# KiCad board VCF_VCA_BBD_board.kicad_pcb (continued)
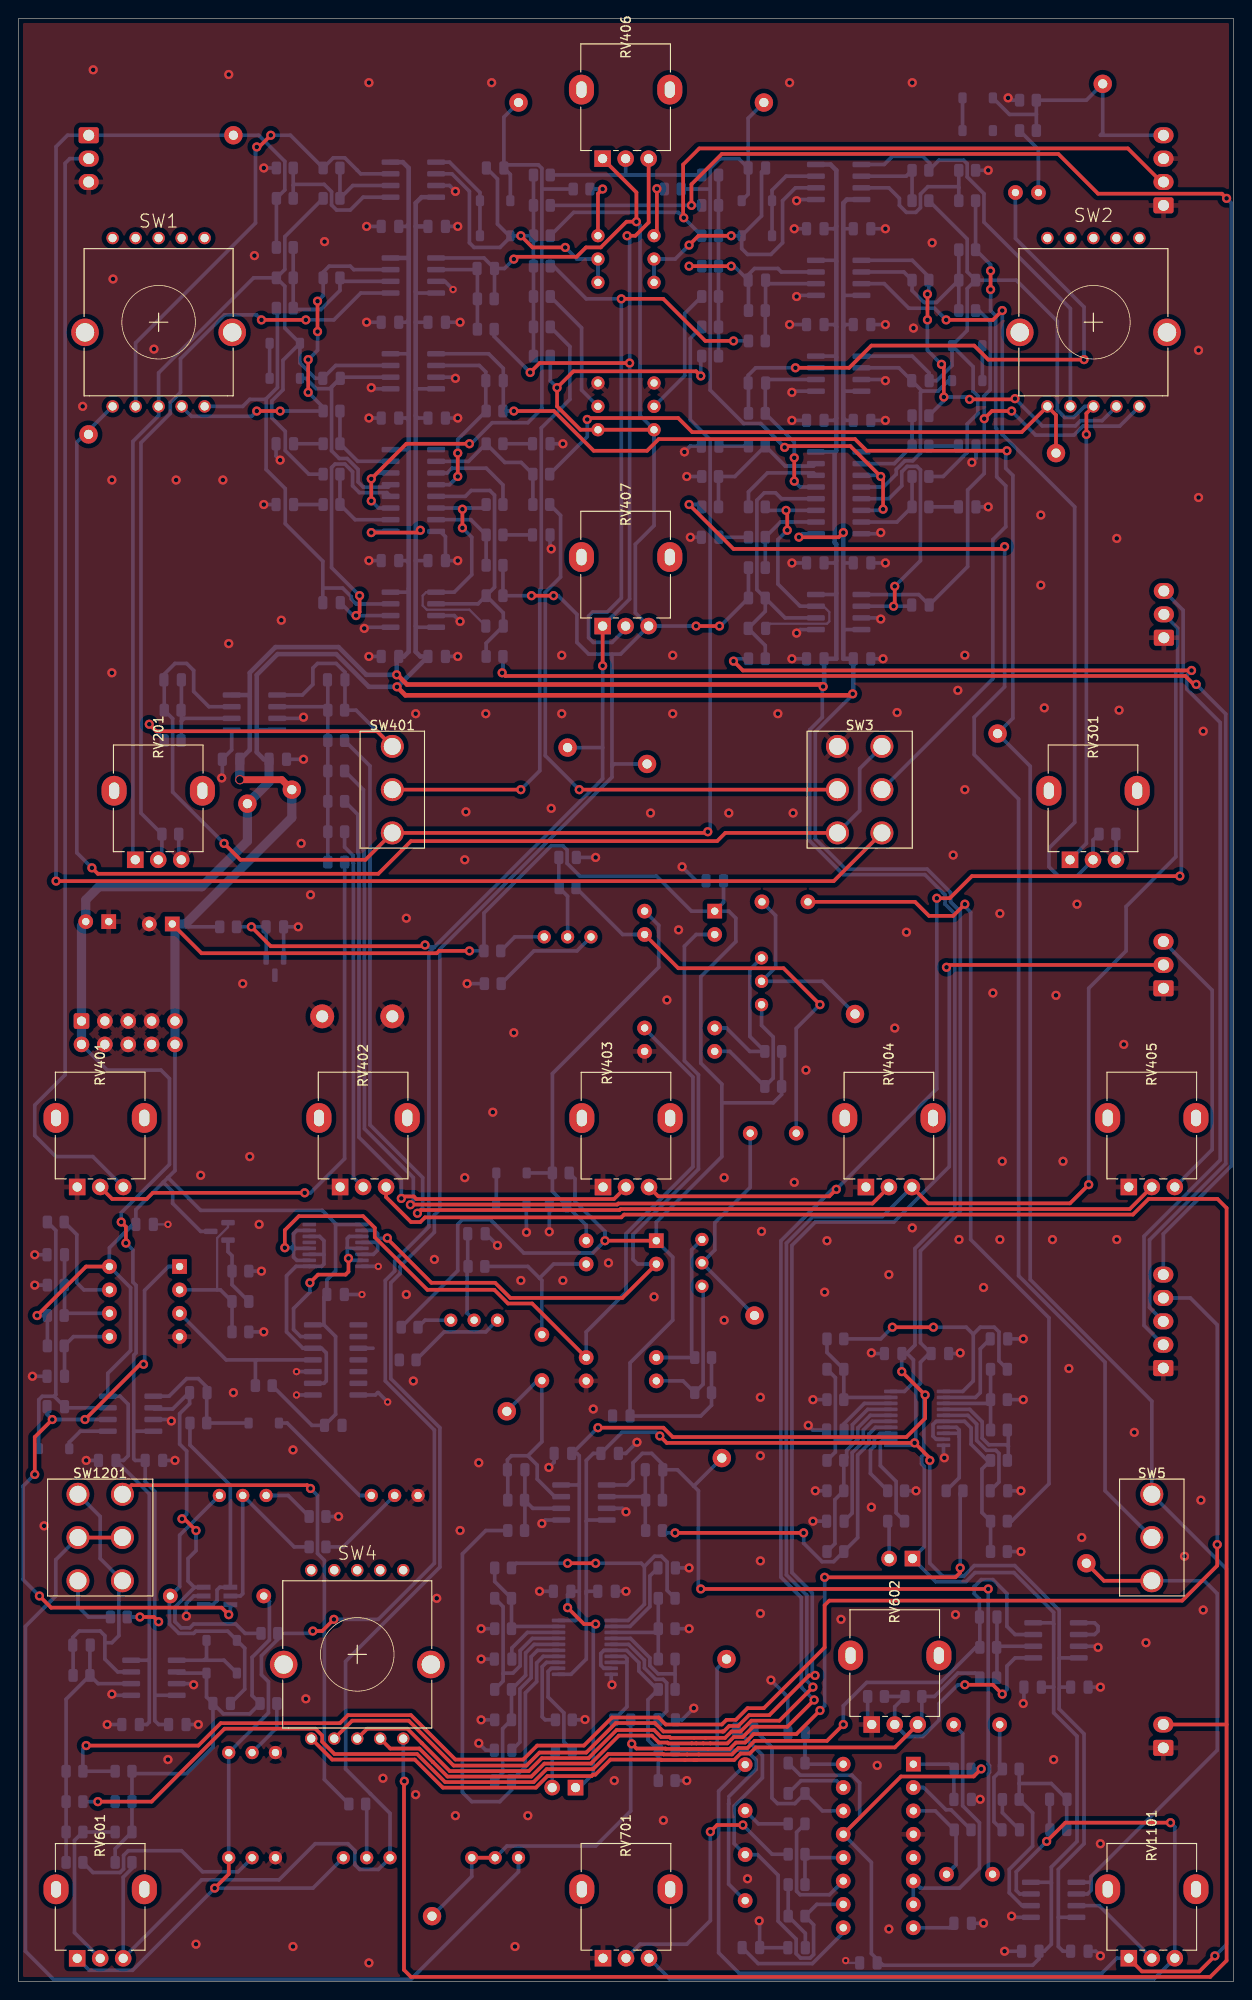
[diagram p0: board, top side]
## Routing (per net, layer and track width the routed paths; a pad name or vN(x,y) marks a point on that pad's centre or on a via; arc(x,y) is an arc through that point) (continued)
GND: length 238.4
  Bottom w0.25: v2(89.92,2.29) 90.17,2.03 C1443.2 ; C1207.2 v2(16.26,82.3)
  Bottom w0.4: v1(57.91,155.7) 57.78,155.83 C502.2 ; v1(72.39,166.24) 73.03,166.88 C1303.2 ; v1(28.45,165.35) 28.01,165.8 C201.2 ; v1(84.58,183.13) 84.71,183.26 U7.5 ; U6.3 46.86,195.2 v1(47.5,194.56) ; C1417.2 v1(84.07,169.67) ; C1426.1 v1(19.56,27.94) ; R1307.1 v1(72.64,163.58) ; v1(18.26,39.72) 18.26,41.11 19.05,41.91 Q1202.5 ; v1(94.23,173.99) 94.11,174.12 U8.3 ; C1429.2 v1(84.33,190.5) ; C1421.2 58.23,56.45 v1(57.66,55.88) ; U19.5 6.73,59.82 5.53,58.61 D1202.2 ; C804.2 50.8,25.15 v1(50.04,25.91) ; U3.8 45.85,157.61 46.42,157.04 C1432.1 v1(47.75,154.43) ; C303.2 v1(105.41,160.27) ; R101.2 107.82,204.47 v1(107.57,204.72) ; v1(104.54,19.81) 104.52,19.8 C1102.2 ; C704.2 80.58,3.68 C702.2 80.56,6.56 v1(80.52,6.6) ; v1(30.41,114.63) C1403.2 U1407.2 ; C1430.1 v1(94.23,190.5) ; v1(92.71,68.33) 92.78,68.25 C1437.2 ; C1302.2 v1(73.04,156.97) ; C1103.2 104.89,6.34 v1(104.9,6.35) ; v1(38.35,173.23) 38.48,173.1 40.45,173.1 ; v1(107.95,7.11) 108.08,6.98 U17.5 ; U18.3 18.92,32.38 v1(19.05,32.26) ; 23.18,136.02 23.18,133.86 C1405.2 22.16,130.88 v1(22.1,130.81) ; U8.5 84.2,172.85 v1(84.07,172.72) ; U23.5 84.71,193.67 v1(84.58,193.55) ; C1412.1 v1(47.75,144.02) ; U18.5 10.29,31.11 v1(10.16,31.24) ; C503.2 v1(59.18,167.13) ; C1004.2 v1(86.36,50.04) ; C703.2 83.63,30.92 v1(81.79,32.77) ; v1(117.35,36.32) 117.22,36.45 115.25,36.45 ; v1(61.58,28.48) 61.55,28.45 R815.2 ; C1206.2 v1(1.52,65.79) ; 100.55,58.29 100.55,57.02 v1(100.64,56.92) ; v1(48.01,147.83) 47.37,148.46 45.4,148.46 ; v2(47.24,183.9) 46.36,184.78 U2.3 ; C1408.1 v1(48.01,180.34) ; C1418.2 v1(94.23,169.67) ; U12.10 64.43,32.34 v1(64.52,32.26) ; U19.3 16.47,61.09 v1(16.63,60.93) ; C1428.1 v1(17.02,56.64) ; v1(103.63,165.1) 104.07,165.54 C301.2 ; U5.5 37.72,147.19 v1(37.59,147.07) ; U21.10 v2(30.23,66.29) ; 58.99,50.16 57.28,50.16 v1(56.9,49.78) ; C1407.2 v1(37.85,180.34) ; RV602.1 92.31,28.38 R602.1 ; v1(102.36,68.33) 102.29,68.25 C1438.1 ; C1441.2 109.29,30.29 v1(109.22,30.23) ; R812.2 v1(50.29,28.45) ; v1(86.61,53.34) R1012.2 87.85,53.3 ; U22.8 39.11,77.73 v2(39.12,77.72) ; v1(85.85,60.45) 86.36,59.94 C1003.2 ; C904.2 v1(62.74,122.17) ; RV201.3 17.42,122.2 R205.2 ; R1015.2 v1(97.56,53.34) ; C1415.2 v1(83.82,180.09) ; v2(40.13,62.99) 39.12,64.01 39.05,64.01 38.8,63.75 U21.7 ; C1423.2 v1(107.19,3.3) ; R310.2 v1(105.41,196.85) ; v1(117.6,2.79) 117.09,3.3 C1424.1 ; C801.2 72.14,28.45 v1(73.41,29.72) ; D902.1 v1(55.22,81.43) ; C1435.2 v1(56.64,42.42) ; v1(1.78,78.99) C1204.2 3.15,78.96 ; C1410.1 v1(47.75,169.93) ; v1(30.99,137.41) 30.86,137.29 U1.3 ; R809.2 v1(50.29,38.35) ; R1002.2 v1(108.97,46.74) ; R305.2 119.3,124.69 RV301.3 ; v1(93.73,157.48) 93.6,157.35 U10.8 ; C803.2 v1(50.29,35.05) ; C1413.2 v1(37.85,190.75) ; C1416.1 v1(94.23,180.09) ; v1(84.58,146.56) 84.96,146.94 U9.5 ; C203.2 v1(26.67,160.53) ; C1419.2 v1(84.07,143.76) ; C1001.2 v1(108.97,53.34) ; v1(66.04,51.05) 65.66,51.44 U13.3 ; C1420.1 v1(93.98,143.76) ; C1406.1 v1(30.99,132.84) ; C1442.1 v1(117.6,32) ; v1(93.73,148.08) 93.6,148.21 U9.3 ; C1411.2 v1(38.1,144.02) ; C1422.1 66.02,57.4 v1(67.23,58.62) ; R1009.2 v1(86.36,63.25) ; C1436.1 v1(66.04,42.42) ; v1(52.07,80.01) 50.8,81.28 C902.2 ; C908.2 73.66,119.63 v1(72.14,121.16) ; R1005.2 v1(109.22,63.25) ; C1427.2 v1(7.37,56.64) ; R1213.1 v1(26.42,77.22) ; R1221.1 v1(1.78,75.69) ; C1433.2 v1(84.07,154.18) ; C1002.2 v1(109.22,69.85) ; R907.2 v1(48.77,108.46) ; C1439.2 v2(37.34,74.68) ; R210.2 v1(26.67,197.1) ; U4.3 47.37,174.37 v1(47.5,174.24) ; R802.2 v1(72.64,21.84) ; C1425.2 v1(9.65,27.94) ; U21.3 38.54,68.83 ; C1431.2 v1(38.1,154.43) ; C1409.2 v1(38.1,169.93) ; R1211.1 v1(34.8,50.55) ; C802.2 v1(72.9,44.96) ; C1414.1 v1(47.75,190.75) ; U21.8 v2(30.23,63.75) ; R805.2 v1(72.9,38.35) ; C1434.1 v1(94.23,154.18) ; R1215.1 v1(26.67,70.61) ; C905.2 v1(57.7,81.49)
  vias: v1(2.79,49.53) v1(6.98,171.2) v1(8.13,207.77) v1(10.16,163.19) v1(10.16,142.24) v1(10.29,185.04) v1(14.73,177.42) v1(16.26,24.13) v1(17.14,163.19) v1(19.3,4.06) v1(19.81,87.63) v1(22.23,163.19) v1(22.86,207.26) v1(22.86,145.41) v1(23.37,64.01) v1(24.38,108.46) v1(25.15,89.66) v1(25.65,187.58) v1(26.16,82.3) v1(28.58,147.95) v1(29.84,57.78) v1(29.84,3.81) v1(30.73,123.7) v1(31.24,30.73) v1(31.75,118.11) v1(33.27,189.1) v1(38.1,206.38) v1(38.1,2.03) v1(39.62,22.1) v1(42.16,115.57) v1(42.16,74.68) v1(42.93,65.28) v1(43.18,137.79) v1(43.18,20.32) v1(45.21,78.49) v1(45.47,41.66) v1(47.5,18.03) v1(48.01,49.02) v1(48.51,121.92) v1(48.51,87.38) v1(48.64,127.13) v1(50.04,56.39) v1(50.8,137.79) v1(51.44,206.38) v1(51.56,94.49) v1(53.85,103.12) v1(53.97,3.81) v1(54.61,76.2) v1(55.37,18.03) v1(57.91,127.51) v1(59.05,144.14) v1(59.05,137.79) v1(59.18,76.2) v1(62.48,62.23) v1(64.14,78.1) v1(64.77,21.84) v1(68.71,127) v1(69.09,74.42) v1(70.1,17.53) v1(70.48,106.68) v1(71.12,144.14) v1(71.12,137.79) v1(71.75,114.3) v1(76.71,87.38) v1(76.71,71.88) v1(77.22,127) v1(79.25,11.18) v1(80.64,63.5) v1(80.64,57.15) v1(80.64,45.72) v1(80.64,40) v1(80.77,81.53) v1(82.55,137.79) v1(83.82,206.38) v1(84.2,127) v1(84.33,86.87) v1(85.6,99.06) v1(87.63,74.93) v1(87.88,80.52) v1(89.41,39.37) v1(92.71,51.56) v1(93.35,23.5) v1(94.61,76.83) v1(94.61,5.72) v1(95.25,103.63) v1(95.5,137.92) v1(96.52,114.05) v1(97.15,206.38) v1(97.15,81.91) v1(97.28,179.7) v1(99.31,188.98) v1(101.6,122.43) v1(101.85,39.88) v1(102.11,140.33) v1(102.23,80.64) v1(102.87,144.16) v1(102.87,129.54) v1(104.9,75.44) v1(105.92,107.44) v1(106.68,116.08) v1(106.68,80.64) v1(106.93,89.15) v1(111.12,159.38) v1(111.12,151.76) v1(111.51,138.43) v1(112.39,80.64) v1(112.52,24.13) v1(112.78,107.19) v1(113.54,89.15) v1(114.18,66.63) v1(115.06,117.09) v1(115.57,48.26) v1(117.6,14.99) v1(119.38,156.84) v1(119.38,80.64) v1(119.63,138.18) v1(120.14,101.85) v1(121.29,59.69) v1(122.55,36.83) v1(126.75,46.23) v1(128.27,177.29) v1(128.27,161.29) v1(128.52,52.32) v1(128.78,135.89) v1(128.78,40.39)
/analog_delay/BBD_ctl_generators/FREQ_CV: length 18.8
  Bottom w0.4: R1203.1 R1207.1 6.1,15.34 6.1,5.32 RV601.2
/analog_delay/BBD_ctl_generators/MOD_CV: length 130.9
  Top w0.4: v1(8.64,19.56) 14.48,19.56 22.41,27.48 32.28,27.48 33.02,26.74 33.02,26.07 34.36,24.73 43.34,24.73 46.38,21.68 56,21.68 57.41,23.09 62.47,23.09 64.1,24.73 70.09,24.73 70.13,24.69 72.69,24.69 73.94,24.69 77.56,24.69 78.25,25.38 79.23,25.38 80.01,26.16 87.88,26.16 v1(89.66,27.94)
  Bottom w0.4: R1206.1 R1202.1 ; U24.7 108.33,37.72 107.44,38.61 107.44,42.16 105.92,43.69 104.65,43.69 103.89,42.93 103.89,42.16 104.46,41.59 C601.2 104.5,39.59 R604.2 104.05,36.32 100.24,32.51 92.2,32.51 89.66,29.98 v1(89.66,27.94)
/analog_delay/BBD_LPF_post/SIGNAL_IN: length 91.5
  Top w0.4: v1(102.87,117.09) 101.6,115.82 98.98,115.82 97.45,117.35 86.19,117.35 85.81,116.97
  Bottom w0.4: R1001.1 107.95,50.04 112.01,54.1 112.01,72.14 103.51,80.64 103.51,116.2 102.74,116.97 v1(102.87,117.09)
/analog_delay/BBD_LPF_post/SIGNAL_OUT: length 95.4
  Top w0.4: v1(74.17,42.67) v1(105.41,42.67)
  Bottom w0.4: v1(74.17,42.67) 73.91,42.93 73.91,53.34 73.41,53.85 ; v1(105.41,42.67) 105.41,23.62 105.55,23.49 105.55,22.74 105.44,22.63 105.44,12.11 C1101.2 ; R1016.2 70,55.59 C1005.2 ; C1005.2 70.04,56.2 68.83,57.4 67.82,57.4 66.8,56.39 66.8,54.61 66.17,53.97 U13.1 ; C1005.2 71.63,55.63 73.41,53.85 ; 73.41,53.85 TP603.1
/analog_delay/BBD_LPF_pre/SIGNAL_IN: length 36.7
  Bottom w0.4: 77.22,20.11 80.19,23.08 80.19,24.08 79.13,25.15 75.69,25.15 ; TP601.1 75.95,34.04 75.95,25.4 75.69,25.15 ; R801.1 75.69,25.15 ; C706.1 77.19,10.6 77.19,19.33 77.22,19.35 77.22,19.81
/analog_delay/BBD_LPF_pre/SIGNAL_OUT: length 27.2
  Bottom w0.4: 55.37,57.15 56.9,58.67 C901.2 56.43,65.32 TP602.1 ; 55.37,57.15 53.59,57.15 53.15,56.71 C805.2 53.19,55.59 R816.2 ; 55.37,57.15 56.39,56.13 56.39,54.61 58.29,52.7 58.99,52.7
/analog_delay/BBD_stages/VGG: length 45.6
  Bottom w0.4: D901.2 R911.2 ; R911.2 58.04,85.89 C905.1 61.71,82.22 U14.8 ; R911.2 58.04,98.68 69.6,110.24 69.6,114.8 U15.8
/analog_delay/CLK_1: length 86.1
  Top w0.4: v1(40.1,80.81) 40.1,80.74 44.89,75.95 51.82,75.95 53.47,74.29 65.64,74.29 U14.2
  Bottom w0.4: U14.2 67.3,77.98 66.8,78.49 66.8,81.19 73.91,88.31 73.91,98.55 72.39,100.08 72.39,112.52 73.67,113.8 U15.2 ; U22.4 38.87,80.33 39.05,80.52 ; 39.05,80.52 39.05,80.77 ; 39.05,80.52 39.05,79.5 38.58,79.03 U22.6 ; 39.05,80.77 39.05,81.28 38.69,81.63 U22.2 ; 39.05,80.77 40.06,80.77 v1(40.1,80.81)
/analog_delay/CLK_2: length 94.1
  Top w0.4: v1(28.96,79.76) 28.96,81.66 30.48,83.19 37.47,83.19 38.73,81.91 38.73,80.9 44.45,75.18 51.73,75.18 53.22,73.7 55.84,73.7 U14.6
  Bottom w0.4: 29.91,79.5 30.09,79.69 U22.12 ; 29.91,79.5 29.91,78.74 30.26,78.38 U22.10 ; 29.91,79.5 29.91,79.94 ; U14.6 61.71,70.6 66.04,74.93 66.04,81.28 73.31,88.55 73.31,98.3 68.06,103.56 U15.6 ; v1(28.96,79.76) 29.72,79.76 29.91,79.94 ; U22.15 30.26,81.63 29.91,81.28 29.91,79.94
/analog_delay/compressor_and_fdbk_mixer/FEEDBACK_IN: length 101.4
  Top w0.4: v1(111.76,15.24) 113.79,17.27 v1(125.22,17.27)
  Bottom w0.4: RV701.3 70.77,0.31 123.46,0.31 RV1101.3 125.69,16.8 v1(125.22,17.27) ; U17.7 108.84,9.52 108.46,9.91 108.46,11.94 112.12,15.6 R1105.1 112.08,16.55 C1106.1
/analog_delay/LPF_CV: length 98.6
  Top w0.4: RV1204.2 RV1204.3 ; v1(102.36,44.96) 102.36,44.45 101.85,43.94 v1(87.63,43.94) ; v1(66.66,25.84) 67.18,25.33 70.34,25.33 70.38,25.29 72.93,25.29 74.95,25.29 77.31,25.29 78,25.98 78.98,25.98 79.91,26.9 84.56,26.9 v1(87.12,29.46)
  Bottom w0.4: RV1204.2 53.09,14.73 62.74,14.73 66.55,18.54 66.55,25.73 v1(66.66,25.84) 66.55,25.96 R807.1 ; TP1201.1 49.28,11.43 RV1204.3 ; v1(87.63,43.94) 87.63,29.97 v1(87.12,29.46) ; R1007.1 102.36,53.04 v1(102.36,44.96)
/analog_delay/MOD_IN: length 81.8
  Top w0.4: SW4.10 34.11,24.13 43.09,24.13 46.13,21.08 56.25,21.08 57.5,22.33 62.3,22.33 62.46,22.49 62.72,22.49 64.35,24.13 69.84,24.13 69.88,24.09 72.44,24.09 73.69,24.09 77.8,24.09 78.5,24.78 79.48,24.78 80.15,25.45 95.26,25.45 RV602.3
  Bottom w0.4: RV602.3 98.19,28.38 R601.2 99.57,30.99 102.11,33.53 103.99,33.53 R603.1
/analog_delay/SIGNAL_IN: length 324.2
  Top w0.4: v1(53.85,170.69) 58.21,170.69 62.53,166.37 68.33,166.37 69.6,167.64 90.93,167.64 92.2,166.37 v1(107.44,166.37) ; RV1101.1 122.12,1.11 128.36,1.11 v1(130.05,2.79)
  Bottom w0.4: v1(53.85,170.69) R509.2 52.7,170.73 52.7,175.33 51.12,176.91 U4.1 ; RV1101.1 119.39,2.54 117.76,0.91 78.34,0.91 76.11,3.14 76.11,20.7 C701.2 ; v1(130.05,2.79) 131.32,4.06 131.32,44.83 SW5.1 123.19,63.08 109.98,76.29 109.98,132.09 TP103.1 108.09,137.3 108.09,163.69 107.32,164.46 107.32,166.24 v1(107.44,166.37)
/analog_delay/SIGNAL_OUT: length 56.9
  Top w0.4: SW5.3 117.98,43.56 TP105.1
  Bottom w0.4: U17.1 116.46,10.79 116.59,10.67 ; U17.2 116.2,9.52 116.59,9.91 116.59,10.67 ; 116.59,10.67 116.59,11.43 130.3,25.15 130.3,42.16 128.91,43.56 SW5.3
/DELAY_RIBBON: length 177.8
  Top w0.4: v1(130.3,47.5) 130.3,45.21 126.49,41.4 88.14,41.4 87.63,40.89 87.63,36.32 81.03,29.72 79.25,29.72 77.98,28.45 76.96,28.45 76.45,27.94 70.36,27.94 69.6,28.7 64.52,28.7 61.47,25.65 56.39,25.65 54.86,24.13 47.5,24.13 42.67,28.96 35.81,28.96 34.94,28.08 21.99,28.08 19.56,25.65 v1(7.37,25.65)
  Bottom w0.4: J6.4 127.38,74.29 130.3,71.37 v1(130.3,47.5) ; v1(7.37,25.65) 7.01,25.3 R1205.1 10.26,22.86
/envelope_VCA/SIG_IN_1: length 61.8
  Top w0.4: 89.02,129.54 v1(60.96,129.54)
  Bottom w0.4: v1(60.96,129.54) 57.27,133.23 57.27,150.99 58.93,152.66 58.93,159.34 R506.1
/EXT_VCF_CV: length 78.8
  Top w0.4: v1(72.31,191.69) 72.25,191.76 72.25,197.47 74.01,199.23 120.59,199.23 124.23,195.58 J2.2
  Bottom w0.4: R421.1 60.35,192.28 71.73,192.28 v1(72.31,191.69) R414.1
/final_volume_VCA/SIG_IN_1: length 154.9
  Top w0.4: v1(72.9,160.53) 77.72,155.7 106.93,155.7 v1(107.19,155.96)
  Bottom w0.4: R1306.1 74.02,160.53 v1(72.9,160.53) ; SW5.2 118.11,53.34 118.11,67.31 108.71,76.71 108.71,128.52 103.89,133.35 103.89,137.41 107.19,140.72 v1(107.19,155.96)
/final_volume_VCA/SIGNAL_OUT: length 66.1
  Top w0.4: v1(115.82,176.28) 105.41,176.28 103.89,177.8 92.71,177.8 90.3,175.39 v1(84.45,175.39)
  Bottom w0.4: C101.1 108.37,189.44 115.82,181.99 v1(115.82,176.28) ; U8.7 v1(84.45,175.39) 80.14,175.39 79.31,174.56 C1304.2 79.35,173.7 R1309.2
/FREQ_CV_A: length 74.4
  Top w0.4: v1(49.02,167.13) 42.16,167.13 v1(38.35,163.32) v1(38.35,160.92)
  Bottom w0.4: U3.14 38.99,163.96 v1(38.35,163.32) ; C405.2 52.77,202.63 TP102.1 ; C405.2 53.47,196.4 D404.1 ; C405.2 53.1,197.44 56.52,197.44 56.9,197.06 56.9,194.82 ; U3.11 39.13,160.15 v1(38.35,160.92) ; R426.2 56.9,194.82 ; 56.9,194.82 56.9,170.94 55.37,169.42 51.49,169.42 49.21,167.13 v1(49.02,167.13)
/FREQ_CV_B: length 74.7
  Top w0.4: v1(83.28,166.74) 83.42,166.88 90.42,166.88 v1(93.73,163.58) 93.98,163.32 v1(93.98,160.02)
  Bottom w0.4: U10.3 93.6,163.7 v1(93.73,163.58) ; 75.18,194.82 75.18,197.06 76.24,198.12 78.3,198.12 C404.2 ; 75.18,194.82 R412.2 ; 75.18,194.82 75.18,172.97 78.82,169.33 80.69,169.33 v1(83.28,166.74) ; C404.2 79.31,194.25 D402.1 ; C404.2 79.31,202.5 TP106.1 ; U10.6 93.85,159.89 v1(93.98,160.02)
/MOD_ENV: length 173.8
  Top w0.4: v1(86.59,33.27) 85.94,33.27 81.62,28.96 79.42,28.96 78.24,27.78 77.26,27.78 76.65,27.18 76.54,27.18 70.1,27.18 69.18,28.1 64.93,28.1 61.72,24.89 56.64,24.89 55.23,23.48 47.3,23.48 42.42,28.36 36.28,28.36 SW4.9 ; v1(100.87,110.24) 101.13,110.49 J5.2
  Bottom w0.4: v1(86.59,33.27) 86.29,33.57 86.29,42.23 84.07,44.45 84.07,80.01 86.61,82.55 95.15,82.55 101.17,88.57 101.17,109.94 v1(100.87,110.24)
/MOD_OSC: length 299.4
  Top w0.4: J3.2 131.32,27.94 ; 131.32,27.94 131.32,84.07 130.33,85.06 122.84,85.06 121.14,83.36 65.84,83.36 65.53,83.06 44.2,83.06 43.69,82.55 42.67,82.55 39.97,85.26 RV402.3 ; 131.32,27.94 131.32,2.29 129.54,0.51 42.67,0.51 41.91,1.27 41.91,21.74 v1(41.95,21.78)
  Bottom w0.4: SW4.6 41.83,21.89 v1(41.95,21.78)
/S_AND_H: length 229.4
  Top w0.4: v1(126.24,120.14) 103.63,120.14 101.23,117.74 v1(99.82,117.74) ; SW4.7 40.41,25.33 43.58,25.33 45.04,23.88 45.04,23.88 46.64,22.28 55.75,22.28 57.16,23.69 62.22,23.69 65.27,26.74 68.85,26.74 69.61,25.98 70.54,25.98 70.63,25.89 73.68,25.89 75.2,25.89 77.06,25.89 77.75,26.58 78.74,26.58 79.85,27.7 83.58,27.7 v1(86.49,30.61) ; RV403.3 69.55,85.34 88.14,85.34 v1(88.9,86.11)
  Bottom w0.4: v1(99.82,117.74) 99.82,97.03 v1(88.9,86.11) 88.47,86.11 82.87,80.51 82.87,43.95 85.09,41.74 85.09,32 86.36,30.73 86.36,30.73 v1(86.49,30.61) ; v1(126.24,120.14) 126.4,120.3 126.4,142.23 126.59,142.43 126.59,149.04 J4.3
/S_AND_H_MIXER: length 209.4
  Top w0.4: v1(86.36,32) 82.71,28.36 79.66,28.36 78.49,27.18 77.5,27.18 76.81,26.49 74.69,26.49 70.88,26.49 70.79,26.58 69.86,26.58 69.09,27.34 65.02,27.34 61.97,24.29 56.89,24.29 55.48,22.88 46.88,22.88 43.84,25.93 43.83,25.93 42.28,27.48 37.91,27.48 SW4.8 ; v1(116.33,86.61) 114.3,84.58 98.88,84.58 RV404.3
  Bottom w0.4: v1(116.33,86.61) 116.33,107.95 120.4,112.01 120.4,116.84 125.8,122.24 125.8,142.48 125.99,142.68 125.99,147.09 J4.2 ; v1(86.36,32) 86.36,32 85.69,32.67 85.69,41.99 83.47,44.2 83.47,80.26 86.37,83.15 93.91,83.15 RV404.3
/SVF_A/BP_OUT: length 122.2
  Bottom w0.4: U4.7 34.48,175.64 C202.2 32.26,174.24 30.6,175.9 30.6,178.04 D202.1 ; R202.1 25.57,185.17 15.24,174.84 SW1.8 15.24,170.18 12.45,167.39 12.45,122.17 RV201.1 ; R202.1 28.96,186.08 28.96,189.63 R208.1 ; R202.1 28.96,184.25 28.96,179.7 D202.1 ; D202.1 28.76,176.2 28.76,173 27.55,171.79 27.55,169.94 29.01,168.48 29.01,166.39 31.56,163.83 R211.1
/SVF_A/HP_OUT: length 40.3
  Top w0.4: v1(32.51,182.63) v1(32.51,179.32) ; v1(31.5,172.72) v1(31.5,176.28) ; v1(28.45,170.69) v1(25.91,170.69)
  Bottom w0.4: v1(31.5,172.72) 33.12,171.09 R206.1 v1(28.45,170.69) ; v1(31.5,176.28) 32.51,177.29 v1(32.51,179.32) ; SW1.7 18.81,170.12 25.33,170.12 v1(25.91,170.69) ; v1(32.51,182.63) 33.12,183.24 R204.2 33.12,185.78 33.78,186.44 36.07,186.44 36.45,186.06 40.45,186.06
/SVF_A/LP_OUT: length 50.3
  Bottom w0.4: 33.09,151.45 35.24,151.45 36.18,150.5 36.18,150.25 36.71,149.72 40.44,149.72 U5.7 ; 33.09,151.45 C204.2 ; 33.09,151.45 33.09,154.37 29.01,158.45 29.01,162.26 26.92,164.34 26.92,171.96 ; 26.92,171.96 25.15,171.96 24.38,171.19 SW1.6 ; 26.92,171.96 26.92,172.01 28.16,173.24 28.16,181.75 R203.2
/SVF_A/NOTCH_OUT: length 51.4
  Top w0.4: v1(25.91,199.39) 26.16,199.39 v1(27.43,200.66)
  Bottom w0.4: U6.7 37.21,196.47 36.83,196.85 36.83,196.85 35.48,198.2 34.22,198.2 R212.2 29.57,200.66 v1(27.43,200.66) ; SW1.9 12.74,178.09 25.77,191.12 25.77,199.25 v1(25.91,199.39)
/SVF_A/SIGNAL_IN: length 208
  Top w0.4: v1(4.09,119.6) 88.62,119.6 SW3.4
  Bottom w0.4: v1(4.09,119.6) 4.09,199.42 5.33,200.66 J101.1 26.12,200.66 28.96,197.82 28.96,194.71 R209.1 R201.1
/SVF_B/BP_OUT: length 127.2
  Top w0.4: v1(116.08,168.15) 116.08,170.43 SW2.8
  Bottom w0.4: R311.1 100.52,163.58 103.12,166.18 103.12,169.27 104.28,170.43 104.28,172.33 103.77,172.84 103.77,175.5 D302.1 ; 91.63,176.66 97.15,176.66 98.99,174.82 C302.2 99.82,173.99 101.47,175.64 D302.1 ; D302.1 103.12,179.45 103.12,184 R302.1 ; RV301.1 116.08,123.7 v1(116.08,168.15) ; R302.1 103.12,185.82 103.12,189.38 R308.1 ; R302.1 108.46,184.91 112.92,180.45 112.92,170.8 113.73,169.99 114.69,169.99 115.89,171.19 SW2.8
/SVF_B/HP_OUT: length 45.6
  Top w0.4: v1(98.81,183.39) v1(98.81,180.59) ; v1(108.32,172.03) 108.24,171.96 v1(103.38,171.96) ; v1(100.33,175.77) 100.58,175.51 v1(100.58,172.21)
  Bottom w0.4: SW2.7 117.8,169.65 115.46,169.65 114.88,169.07 111.28,169.07 v1(108.32,172.03) ; R306.1 100.58,171.81 v1(100.58,172.21) 103.12,172.21 v1(103.38,171.96) ; v1(98.81,180.59) 98.81,177.29 v1(100.33,175.77) ; v1(98.81,183.39) 98.96,183.54 R304.2 98.96,185.27 97.15,187.07 U7.1
/SVF_B/LP_OUT: length 63
  Top w0.4: v1(104.97,169.85) 105.81,170.69 v1(107.95,170.69)
  Bottom w0.4: SW2.6 119.7,169.05 115.71,169.05 114.73,168.08 110.56,168.08 v1(107.95,170.69) ; U9.1 91.64,150.74 97.86,150.74 C304.2 103.17,153.79 103.17,162.1 104.97,163.9 104.97,172.34 105.62,172.99 105.62,180.38 104.39,181.61 R303.2
/SVF_B/NOTCH_OUT: length 44.7
  Bottom w0.4: SW2.9 114.34,181.82 104.95,191.21 104.95,194.31 103.12,196.13 103.12,197.57 102.74,197.95 100.06,197.95 R312.2 99.06,196.95 99.06,197.61 98.3,198.37 95,198.37 94.11,197.48 U23.1
/SVF_B/SIGNAL_IN: length 70.9
  Top w0.4: v1(105.66,183.9) v1(105.66,185.93)
  Bottom w0.4: v1(105.66,183.9) 105.66,181.61 106.22,181.05 106.22,168.86 106.33,168.75 106.33,163.54 107.32,162.56 107.32,158.12 105.91,156.71 105.91,141.59 SW3.5 ; R309.1 R301.1 105.66,186.59 v1(105.66,185.93)
/VCA_ENV_CTL: length 152.4
  Top w0.4: v1(128.02,140.98) 127.75,140.98 126.84,141.89 52.92,141.89 v1(52.58,142.24)
  Bottom w0.4: R502.1 52.66,142.33 v1(52.58,142.24) ; J6.3 122.95,73.25 122.95,80.61 131.23,88.89 131.23,137.77 v1(128.02,140.98)
/VCA_VOL_CTL: length 131.2
  Top w0.4: v1(127.51,142.49) 78.74,142.49 v1(77.72,143.51)
  Bottom w0.4: R1302.1 77.98,143.76 v1(77.72,143.51) ; 124.44,69.22 122.35,71.31 122.35,81 130.63,89.29 130.63,136.84 127,140.46 127,141.99 v1(127.51,142.49)
/VCF_A: length 147
  Top w0.4: 89.02,124.84 76.83,124.84 75.95,123.95 42.67,123.95 39.12,120.4 8.64,120.4 v1(7.99,121.04)
  Bottom w0.4: SW3.6 91.44,131.82 91.44,127.25 89.02,124.84 ; SW1.10 6.35,167.3 6.35,122.68 v1(7.99,121.04)
/VCF_B: length 65
  Top w0.4: v1(61.83,169.78) 61.98,169.93 71.71,169.93 73.24,168.4 109.05,168.4 SW2.10 112.78,170.25 TP108.1
  Bottom w0.4: R507.1 61.83,167.91 v1(61.83,169.78)
/VCF_CV_mixer/MAIN_VCO: length 121.7
  Bottom w0.4: J101.2 5.59,198.12 5.08,197.61 5.08,98.55 1.78,95.25 1.78,91.95 4.06,89.66 8.09,89.66 RV401.3
/VCF_CV_mixer/VCF_ENV: length 30.5
  Bottom w0.4: J5.3 129.75,107.74 129.75,90.42 RV405.3
/VCF_RIBBON: length 200.5
  Top w0.4: v1(73.15,193.04) 73.15,195.33 76.45,198.63 113.03,198.63 117.35,194.31 130.81,194.31 v1(131.32,193.8)
  Bottom w0.4: R420.1 v1(73.15,193.04) R413.1 ; v1(131.32,193.8) 131.83,193.29 131.83,88.65 124.44,81.26 J6.5
Net-(C101-Pad2): length 7.6
  Bottom w0.4: C101.2 110.87,199.11 R102.1
Net-(C201-Pad1): length 3.2
  Bottom w0.4: R207.2 C201.1
Net-(C202-Pad1): length 28.1
  Bottom w0.4: C202.1 33.86,173.12 32.37,173.12 31.24,174.24 D201.1 ; C202.1 35.11,174.37 U4.6 ; C202.1 34.04,173.29 34.04,166.37 34.88,165.53 35.73,165.53 36.92,164.34 36.92,162.98 37.48,162.42 40.19,162.42 U3.13
Net-(C203-Pad1): length 3.2
  Bottom w0.4: C203.1 R213.2
Net-(C204-Pad1): length 32.5
  Top w0.4: v1(37.08,150.62) 37.08,148.84 v1(36.7,148.46)
  Bottom w0.4: C204.1 36.38,148.46 v1(36.7,148.46) 40.45,148.46 ; v1(37.08,150.62) 34.04,153.67 34.04,164.55 34.42,164.93 35.48,164.93 36.32,164.09 36.32,162.56 37.06,161.82 40.05,161.82 U3.12
Net-(C301-Pad1): length 3.2
  Bottom w0.4: R307.2 C301.1
Net-(C302-Pad1): length 26.4
  Bottom w0.4: U8.2 95.7,175.39 C302.1 98.22,172.87 ; 98.22,172.87 99.96,172.87 101.09,173.99 D301.1 ; 98.22,172.87 98.04,172.69 98.04,166.12 97.2,165.28 96.35,165.28 95.41,164.34 95.41,163.82 94.02,162.43 U10.4
Net-(C303-Pad1): length 3.2
  Bottom w0.4: R313.2 C303.1
Net-(C304-Pad1): length 30.5
  Top w0.4: v1(95.12,149.48) 95.25,149.61 v1(95.25,151.64)
  Bottom w0.4: U9.2 96.97,149.48 C304.1 ; v1(95.25,151.64) 98.04,154.43 98.04,164.29 97.66,164.68 96.6,164.68 96.01,164.09 96.01,162.56 94.61,161.16 91.63,161.16
Net-(C401-Pad1): length 25.5
  Bottom w0.4: 28.13,138.56 33.25,138.56 R406.1 ; R401.2 R402.2 33.63,141.44 C401.1
Net-(C401-Pad2): length 51
  Top w0.4: SW401.3 38.99,135.89 14.99,135.89 v1(14.22,136.65)
  Bottom w0.4: R407.1 15.85,135.02 v1(14.22,136.65) ; U1.1 30.86,139.83 32,140.97 32,142.75 32.51,143.26 34.54,143.26 35.49,142.31 C401.2 35.49,138.21 R406.2 36.7,138.18 SW401.3
Net-(C402-Pad1): length 12.2
  Bottom w0.4: U7.6 81.59,184.53 C402.1 81.21,181.65 R410.1 R409.2
Net-(C402-Pad2): length 20.1